# Altium PCB Temp Module B1 Sample.PcbDoc (part 2 of 3)
Units mm, origin at the board's own origin, x right, y up, seen from the top; angles counter-clockwise.
Board outline 139.94 x 72.9 mm, 4 copper layers (Top Layer, Int1 (GND), Int2 (PWR), Bottom Layer), stack 1.369 mm thick; 269 components, 183 nets, 894 pads, 414 vias.
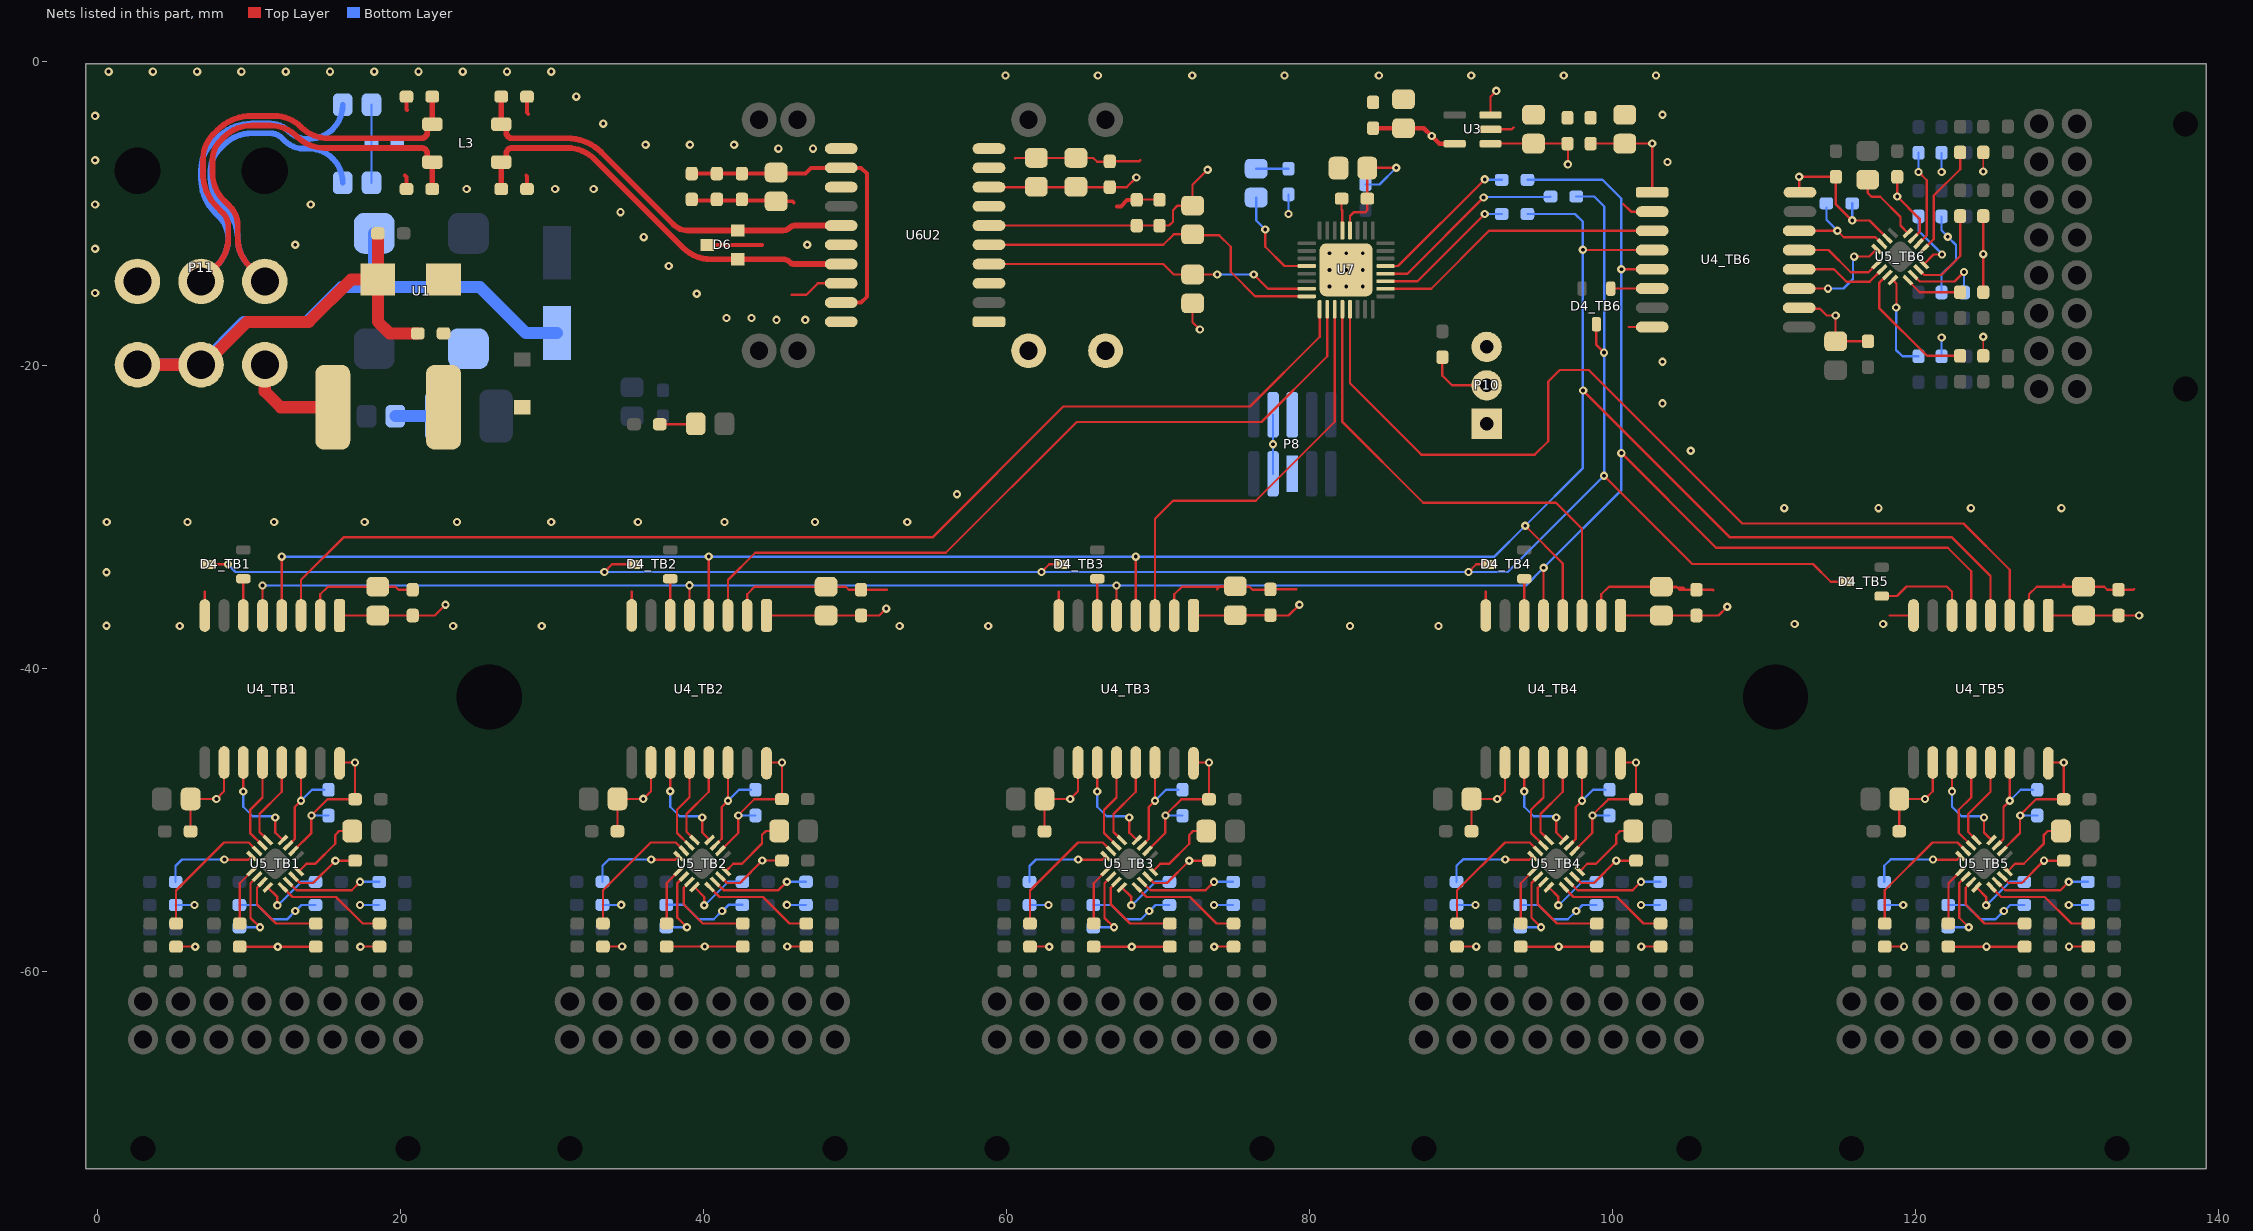
[diagram p4: the nets of this part, all layers, seen from the top]

## Via types
v1: diameter 0.55, hole 0.25, Top Layer to Bottom Layer, 414 vias

## Nets (pads, with @x,y where several pads share a name; then routed paths per layer and width w, separated by ;. In a path a pad name is that pad's centre, name@x,y a point inside that pad or via, vN(x,y) a via of type N, cw(c..) or ccw(c..) an arc to the next point about the centre after c; other vN are vias at no path point) (continued)
0V_(ISO): C3.1 C8.1 C9.1 C10.1 C11.1 C17_TB1.1 C17_TB2.1 C17_TB3.1 C17_TB4.1 C17_TB5.1 C17_TB6.1 C18_TB1.1 C18_TB2.1 C18_TB3.1 C18_TB4.1 C18_TB5.1 C18_TB6.1 C28.1 C32.1 C33.1 C35.2 C41.1 C42.1 P8.5 P8.6 P10.3 U2.16 U3.2 U4_TB1.2 U4_TB1.8 U4_TB2.2 U4_TB2.8 U4_TB3.2 U4_TB3.8 U4_TB4.2 U4_TB4.8 U4_TB5.2 U4_TB5.8 U4_TB6.2 U4_TB6.8 U6.1 U6.3 U6.7 U6.9 U6.10 U7.5 | length 77.6
  Top Layer w0.152: U4_TB1.8@7.112,-36.525 7.112,-34.963 ; U4_TB1.2@14.732,-36.525 14.732,-35.128 15.235,-34.625 C17_TB1.1@18.516,-34.625 19.69,-34.625 19.89,-34.825 C18_TB1.1@20.828,-34.825 ; U4_TB2.8@35.281,-36.519 35.281,-34.957 ; U4_TB2.2@42.901,-36.519 42.901,-35.122 43.404,-34.619 47.858,-34.619 C17_TB2.1@48.058,-34.819 ; C17_TB2.1@48.107,-34.625 49.408,-34.625 49.608,-34.825 C18_TB2.1@50.419,-34.825 52.125,-34.825 ; 60.579,-6.35 60.599,-6.33 C3.1@61.976,-6.33 C35.2@64.592,-6.33 65.74,-6.33 65.994,-6.584 C32.1@66.825,-6.584 ; U4_TB3.8@63.461,-36.525 63.461,-34.963 ; C32.1@66.825,-6.557 68.754,-6.557 68.834,-6.477 ; C28.1@68.604,-9.072 C33.1@70.104,-9.072 ; U4_TB3.2@71.081,-36.525 71.081,-35.128 71.584,-34.625 76.039,-34.625 76.239,-34.825 C18_TB3.1@77.177,-34.825 ; 73.914,-34.798 74.113,-34.599 C17_TB3.1@75.107,-34.599 ; C18_TB3.1@77.419,-34.799 79.12,-34.799 79.121,-34.798 ; C41.1@82.12,-9.017 82.12,-9.73 82.173,-9.783 U7.5@82.173,-11.116 ; U4_TB4.8@91.637,-36.523 91.637,-34.961 ; U3.2@91.948,-4.445 93.345,-4.445 93.472,-4.318 ; U4_TB4.2@99.257,-36.523 99.257,-35.126 99.76,-34.623 104.215,-34.623 104.415,-34.823 C18_TB4.1@105.353,-34.823 ; 100.712,-9.368 101.216,-9.871 U4_TB6.2@102.612,-9.871 ; 101.05,-17.491 U4_TB6.8@102.612,-17.491 ; C17_TB4.1@103.225,-34.625 103.271,-34.671 104.648,-34.671 104.802,-34.825 C18_TB4.1@105.537,-34.825 106.613,-34.825 106.663,-34.875 ; 118.3,-36.523 U4_TB5.8@119.862,-36.523 ; U4_TB5.2@127.482,-36.523 127.482,-35.126 127.985,-34.623 132.44,-34.623 132.64,-34.823 C18_TB5.1@133.578,-34.823 ; 129.75,-34.475 129.9,-34.625 C17_TB5.1@131.08,-34.625 ; C18_TB5.1@133.392,-34.825 134.375,-34.825 134.425,-34.775
  Top Layer w0.254: 67.31,-9.525 67.564,-9.525 67.971,-9.118 68.581,-9.118 C28.1@68.604,-9.095
  other v1: 0.625,-37.2 5.461,-37.211 23.495,-37.211 29.337,-37.211 52.959,-37.211 58.801,-37.211 82.677,-37.211 88.519,-37.211 112.014,-37.084 117.856,-37.084 0.625,-33.675 0.635,-30.353 5.969,-30.353 11.684,-30.353 17.653,-30.353 23.749,-30.353 29.972,-30.353 35.687,-30.353 41.402,-30.353 47.371,-30.353 53.467,-30.353 111.328,-29.439 117.551,-29.439 123.647,-29.439 129.616,-29.439 56.744,-28.524 105.156,-25.654 103.3,-22.525 103.3,-19.775 81.323,-14.816 82.423,-14.816 83.523,-14.816 81.323,-13.716 82.423,-13.716 83.523,-13.716 81.323,-12.616 82.423,-12.616 83.523,-12.616 103.632,-6.604 103.3,-3.475 59.944,-0.889 66.04,-0.889 72.263,-0.889 78.359,-0.889 84.582,-0.889 90.678,-0.889 96.774,-0.889 102.87,-0.889
3V3: C10.2 C11.2 C28.2 C33.2 C41.2 C42.2 P8.7 P8.8 P10.1 R5.2 R26.2 R29.2 R30.2 U3.5 U6.6 U7.4 | length 39.6
  Top Layer w0.152: U6.6@58.852,-10.795 C28.2@68.604,-10.795 C33.2@70.104,-10.795 70.739,-10.795 70.993,-10.541 70.993,-9.779 71.296,-9.476 R29.2@72.289,-9.476 72.289,-8.102 v1(73.279,-7.112) ; R30.2@72.289,-15.924 72.289,-17.171 v1(72.771,-17.653) ; U7.4@82.673,-11.116 82.675,-11.114 82.675,-10.162 82.931,-9.906 83.693,-9.906 83.82,-9.779 C41.2@83.82,-9.017 C42.2@83.82,-7 ; C42.2@83.814,-6.973 83.826,-6.985 v1(85.725,-6.985)
  Top Layer w0.3: C10.2@84.201,-4.367 C11.2@86.207,-4.367 87.552,-4.367 v1(88.066,-4.881) 88.58,-5.395 U3.5@89.586,-5.395
  Bottom Layer w0.152: P8.7@77.597,-27.178 v1(77.597,-25.228) P8.8@77.597,-23.278 ; v1(78.613,-10.033) R26.2@78.613,-8.739 ; R5.2@83.693,-8.079 84.631,-8.079 v1(85.725,-6.985)
3V3_TEMP_TB1: C19_TB1.2 C20_TB1.2 C26_TB1.2 C27_TB1.2 R6_TB1.2 R7_TB1.2 R10_TB1.2 R11_TB1.2 R14_TB1.2 R15_TB1.2 R18_TB1.2 R19_TB1.2 R22_TB1.2 U4_TB1.10 U4_TB1.16 U5_TB1.7 U5_TB1.10 | length 37.9
  Top Layer w0.127: R6_TB1.2@5.213,-58.375 v1(6.477,-58.375) ; v1(17.374,-58.375) R15_TB1.2@18.638,-58.375
  Top Layer w0.152: C20_TB1.2@6.17,-50.764 C19_TB1.2@6.17,-48.631 v1(7.873,-48.631) 8.382,-48.122 U4_TB1.10@8.382,-46.227 ; R14_TB1.2@9.413,-58.375 v1(11.926,-58.375) R7_TB1.2@14.438,-58.375 ; U5_TB1.7@12.965,-53.75 12.968,-53.75 13.393,-54.175 14.25,-54.175 v1(15.725,-52.7) C26_TB1.2@17.025,-52.7 ; U5_TB1.10@12.965,-52.052 14.142,-50.876 14.142,-49.708 15.2,-48.65 C27_TB1.2@17.025,-48.65 v1(17.025,-46.225) 16.055,-46.225 U4_TB1.16@16.002,-46.278
  Bottom Layer w0.127: R10_TB1.2@5.181,-55.625 v1(6.427,-55.625) ; v1(17.349,-55.625) R19_TB1.2@18.613,-55.625
  Bottom Layer w0.152: R18_TB1.2@9.396,-55.624 10.574,-55.624 11.525,-56.575 12.525,-56.575 v1(13.075,-56.025) 13.095,-56.025 13.495,-55.625 R11_TB1.2@14.413,-55.625 ; v1(14.15,-49.725) R22_TB1.2@15.275,-49.725
3V3_TEMP_TB2: C19_TB2.2 C20_TB2.2 C26_TB2.2 C27_TB2.2 R6_TB2.2 R7_TB2.2 R10_TB2.2 R11_TB2.2 R14_TB2.2 R15_TB2.2 R18_TB2.2 R19_TB2.2 R22_TB2.2 U4_TB2.10 U4_TB2.16 U5_TB2.7 U5_TB2.10 | length 37.9
  Top Layer w0.127: R6_TB2.2@33.382,-58.369 v1(34.646,-58.369) ; v1(45.543,-58.369) R15_TB2.2@46.807,-58.369
  Top Layer w0.152: C20_TB2.2@34.339,-50.758 C19_TB2.2@34.339,-48.625 v1(36.041,-48.625) 36.551,-48.116 U4_TB2.10@36.551,-46.221 ; R14_TB2.2@37.582,-58.369 v1(40.094,-58.369) R7_TB2.2@42.607,-58.369 ; U5_TB2.7@41.134,-53.744 41.137,-53.744 41.562,-54.169 42.419,-54.169 v1(43.894,-52.694) C26_TB2.2@45.194,-52.694 ; U5_TB2.10@41.134,-52.046 42.311,-50.87 42.311,-49.702 43.369,-48.644 C27_TB2.2@45.194,-48.644 v1(45.194,-46.219) 44.224,-46.219 U4_TB2.16@44.171,-46.272
  Bottom Layer w0.127: R10_TB2.2@33.35,-55.619 v1(34.596,-55.619) ; v1(45.518,-55.619) R19_TB2.2@46.782,-55.619
  Bottom Layer w0.152: R18_TB2.2@37.564,-55.618 38.743,-55.618 39.694,-56.569 40.694,-56.569 v1(41.244,-56.019) 41.264,-56.019 41.664,-55.619 R11_TB2.2@42.582,-55.619 ; v1(42.319,-49.719) R22_TB2.2@43.444,-49.719
3V3_TEMP_TB3: C19_TB3.2 C20_TB3.2 C26_TB3.2 C27_TB3.2 R6_TB3.2 R7_TB3.2 R10_TB3.2 R11_TB3.2 R14_TB3.2 R15_TB3.2 R18_TB3.2 R19_TB3.2 R22_TB3.2 U4_TB3.10 U4_TB3.16 U5_TB3.7 U5_TB3.10 | length 37.9
  Top Layer w0.127: R6_TB3.2@61.562,-58.375 v1(62.826,-58.375) ; v1(73.723,-58.375) R15_TB3.2@74.987,-58.375
  Top Layer w0.152: C20_TB3.2@62.519,-50.764 C19_TB3.2@62.519,-48.631 v1(64.222,-48.631) 64.731,-48.122 U4_TB3.10@64.731,-46.227 ; R14_TB3.2@65.762,-58.375 v1(68.275,-58.375) R7_TB3.2@70.787,-58.375 ; U5_TB3.7@69.314,-53.75 69.317,-53.75 69.742,-54.175 70.599,-54.175 v1(72.074,-52.7) C26_TB3.2@73.374,-52.7 ; U5_TB3.10@69.314,-52.052 70.491,-50.876 70.491,-49.708 71.549,-48.65 C27_TB3.2@73.374,-48.65 v1(73.374,-46.225) 72.404,-46.225 U4_TB3.16@72.351,-46.278
  Bottom Layer w0.127: R10_TB3.2@61.53,-55.625 v1(62.776,-55.625) ; v1(73.698,-55.625) R19_TB3.2@74.962,-55.625
  Bottom Layer w0.152: R18_TB3.2@65.745,-55.624 66.923,-55.624 67.874,-56.575 68.874,-56.575 v1(69.424,-56.025) 69.444,-56.025 69.844,-55.625 R11_TB3.2@70.762,-55.625 ; v1(70.499,-49.725) R22_TB3.2@71.624,-49.725
3V3_TEMP_TB4: C19_TB4.2 C20_TB4.2 C26_TB4.2 C27_TB4.2 R6_TB4.2 R7_TB4.2 R10_TB4.2 R11_TB4.2 R14_TB4.2 R15_TB4.2 R18_TB4.2 R19_TB4.2 R22_TB4.2 U4_TB4.10 U4_TB4.16 U5_TB4.7 U5_TB4.10 | length 37.9
  Top Layer w0.127: R6_TB4.2@89.738,-58.373 v1(91.002,-58.373) ; v1(101.899,-58.373) R15_TB4.2@103.163,-58.373
  Top Layer w0.152: C20_TB4.2@90.695,-50.762 C19_TB4.2@90.695,-48.629 v1(92.398,-48.629) 92.907,-48.12 U4_TB4.10@92.907,-46.225 ; R14_TB4.2@93.938,-58.373 v1(96.451,-58.373) R7_TB4.2@98.963,-58.373 ; U5_TB4.7@97.49,-53.748 97.493,-53.748 97.918,-54.173 98.775,-54.173 v1(100.25,-52.698) C26_TB4.2@101.55,-52.698 ; U5_TB4.10@97.49,-52.05 98.667,-50.874 98.667,-49.706 99.725,-48.648 C27_TB4.2@101.55,-48.648 v1(101.55,-46.223) 100.58,-46.223 U4_TB4.16@100.527,-46.276
  Bottom Layer w0.127: R10_TB4.2@89.706,-55.623 v1(90.952,-55.623) ; v1(101.874,-55.623) R19_TB4.2@103.138,-55.623
  Bottom Layer w0.152: R18_TB4.2@93.921,-55.622 95.099,-55.622 96.05,-56.573 97.05,-56.573 v1(97.6,-56.023) 97.62,-56.023 98.02,-55.623 R11_TB4.2@98.938,-55.623 ; v1(98.675,-49.723) R22_TB4.2@99.8,-49.723
3V3_TEMP_TB5: C19_TB5.2 C20_TB5.2 C26_TB5.2 C27_TB5.2 R6_TB5.2 R7_TB5.2 R10_TB5.2 R11_TB5.2 R14_TB5.2 R15_TB5.2 R18_TB5.2 R19_TB5.2 R22_TB5.2 U4_TB5.10 U4_TB5.16 U5_TB5.7 U5_TB5.10 | length 37.9
  Top Layer w0.127: R6_TB5.2@117.963,-58.373 v1(119.227,-58.373) ; v1(130.124,-58.373) R15_TB5.2@131.388,-58.373
  Top Layer w0.152: C20_TB5.2@118.92,-50.762 C19_TB5.2@118.92,-48.629 v1(120.623,-48.629) 121.132,-48.12 U4_TB5.10@121.132,-46.225 ; R14_TB5.2@122.163,-58.373 v1(124.676,-58.373) R7_TB5.2@127.188,-58.373 ; U5_TB5.7@125.715,-53.748 125.718,-53.748 126.143,-54.173 127,-54.173 v1(128.475,-52.698) C26_TB5.2@129.775,-52.698 ; U5_TB5.10@125.715,-52.05 126.892,-50.874 126.892,-49.706 127.95,-48.648 C27_TB5.2@129.775,-48.648 v1(129.775,-46.223) 128.805,-46.223 U4_TB5.16@128.752,-46.276
  Bottom Layer w0.127: R10_TB5.2@117.931,-55.623 v1(119.177,-55.623) ; v1(130.099,-55.623) R19_TB5.2@131.363,-55.623
  Bottom Layer w0.152: R18_TB5.2@122.146,-55.622 123.324,-55.622 124.275,-56.573 125.275,-56.573 v1(125.825,-56.023) 125.845,-56.023 126.245,-55.623 R11_TB5.2@127.163,-55.623 ; v1(126.9,-49.723) R22_TB5.2@128.025,-49.723
3V3_TEMP_TB6: C19_TB6.2 C20_TB6.2 C26_TB6.2 C27_TB6.2 R6_TB6.2 R7_TB6.2 R10_TB6.2 R11_TB6.2 R14_TB6.2 R15_TB6.2 R18_TB6.2 R19_TB6.2 R22_TB6.2 U4_TB6.10 U4_TB6.16 U5_TB6.7 U5_TB6.10 | length 37.5
  Top Layer w0.127: R6_TB6.2@124.462,-19.39 v1(124.462,-18.126) ; v1(124.462,-7.229) R15_TB6.2@124.462,-5.965
  Top Layer w0.152: U4_TB6.10@112.314,-16.221 112.371,-16.278 113.681,-16.278 114.134,-16.731 v1@114.713,-16.731 ; U4_TB6.16@112.366,-8.601 112.312,-8.548 v1(112.312,-7.578) C27_TB6.2@114.737,-7.578 114.737,-9.403 115.795,-10.461 116.963,-10.461 U5_TB6.10@118.14,-11.638 ; C19_TB6.2@114.719,-18.433 v1(114.719,-16.731) ; C19_TB6.2@115.149,-18.433 C20_TB6.2@116.851,-18.433 ; C26_TB6.2@118.787,-7.578 v1(118.787,-8.878) 120.262,-10.353 120.262,-11.21 119.837,-11.635 U5_TB6.7@119.837,-11.638 ; R14_TB6.2@124.462,-15.19 v1(124.462,-12.678) R7_TB6.2@124.462,-10.165
  Bottom Layer w0.127: R10_TB6.2@121.712,-19.422 v1(121.712,-18.176) ; v1(121.712,-7.254) R19_TB6.2@121.712,-5.99
  Bottom Layer w0.152: v1(115.812,-10.453) R22_TB6.2@115.812,-9.328 ; R18_TB6.2@121.711,-15.208 121.711,-14.029 122.662,-13.078 122.662,-12.078 v1(122.112,-11.528) 122.112,-11.508 121.712,-11.108 R11_TB6.2@121.712,-10.19
5V: C3.2 C8.2 C9.2 C17_TB1.2 C17_TB2.2 C17_TB3.2 C17_TB4.2 C17_TB5.2 C17_TB6.2 C18_TB1.2 C18_TB2.2 C18_TB3.2 C18_TB4.2 C18_TB5.2 C18_TB6.2 C32.2 C35.1 U2.14 U3.1 U3.3 U4_TB1.1 U4_TB2.1 U4_TB3.1 U4_TB4.1 U4_TB5.1 U4_TB6.1 U6.8 | length 69.8
  Top Layer w0.152: U4_TB1.1@16.002,-36.525 C17_TB1.2@18.516,-36.525 C18_TB1.2@20.828,-36.525 22.276,-36.525 v1(22.987,-35.814) ; U4_TB2.1@44.171,-36.519 48.107,-36.519 C18_TB2.2@50.445,-36.519 ; C17_TB2.2@48.107,-36.525 C18_TB2.2@50.319,-36.525 ; C18_TB2.2@50.419,-36.525 51.613,-36.525 v1(52.07,-36.068) ; U6.8@58.853,-8.256 C32.2@66.824,-8.256 ; C32.2@66.825,-8.257 67.943,-8.257 v1(68.58,-7.62) ; U4_TB3.1@72.351,-36.525 75.107,-36.525 78.625,-36.525 v1(79.336,-35.814) ; C17_TB3.2@75.107,-36.499 C18_TB3.2@77.419,-36.499 ; U3.3@91.948,-3.495 91.948,-2.286 v1(92.329,-1.905) ; U3.1@92.644,-5.383 C8.2@94.785,-5.383 C9.2@97.028,-5.383 ; v1@97.055,-6.756 C9.2@97.055,-5.377 ; C18_TB6.2@98.552,-5.383 C17_TB6.2@100.812,-5.383 v1@102.538,-5.383 ; U4_TB4.1@100.527,-36.523 103.225,-36.523 106.801,-36.523 ; U4_TB6.1@102.612,-8.601 102.616,-8.597 102.616,-5.461 102.612,-5.457 v1@102.612,-5.383 ; C17_TB4.2@103.225,-36.525 C18_TB4.2@105.537,-36.525 106.985,-36.525 v1(107.569,-35.941) ; U4_TB5.1@128.752,-36.523 C17_TB5.2@131.08,-36.523 ; C17_TB5.2@131.08,-36.525 C18_TB5.2@133.392,-36.525 ; 132.435,-36.525 v1(134.747,-36.525) ; C18_TB5.2@133.392,-36.523 C18_TB5.2@133.445,-36.576
  other v1: 97.053,-6.756 102.616,-5.383
"5V (CAN)": C29.2 C30.2 C31.2 C34.1 U6.12 U6.19 | length 21.9
  Top Layer w0.254: C30.2@39.243,-7.366 C29.2@40.894,-7.366 C31.2@42.545,-7.366 46.736,-7.366 47.117,-6.985 U6.12@49.099,-6.985 50.419,-6.985 50.8,-7.366 50.8,-15.494 50.419,-15.875 U6.19@49.099,-15.875
BOOT0: P10.2 R24.1 | length 4.4
  Top Layer w0.152: R24.1@88.773,-19.48 88.773,-20.701 89.408,-21.336 P10.2@91.694,-21.336
CAN_1_N: C40.2 D6.2 L3.3 U6.15 | length 27.1
  Top Layer w0.381: C40.2@26.67,-2.286 26.67,-3.854 ccw(c27.097,-3.854) L3.3@26.794,-4.155 ; L3.3@26.84,-4.201 cw(c26.454,-4.587) 27,-4.587 27,-4.655 ccw(c27.381,-4.655) 27.112,-4.925 ccw(c27.381,-4.655) 27.381,-5.036 31.035,-5.036 cw(c31.035,-8.211) 33.28,-5.966 38.041,-10.727 ccw(c38.978,-9.79) 38.978,-11.115 D6.2@42.275,-11.115 45.254,-11.115 ccw(c45.254,-10.456) 45.72,-10.922 cw(c46.027,-11.229) 46.027,-10.795 U6.15@49.099,-10.795
CAN_1_P: C39.2 D6.1 L3.4 U6.17 | length 27.5
  Top Layer w0.381: C39.2@26.67,-8.172 L3.4@26.67,-6.604 ccw(c26.67,-6.427) 26.795,-6.552 26.84,-6.507 ccw(c26.454,-6.121) 27,-6.121 27,-6.052 cw(c27.381,-6.052) 27.112,-5.783 cw(c27.381,-6.052) 27.381,-5.671 31.035,-5.671 cw(c31.035,-8.211) 32.831,-6.415 38.687,-12.271 ccw(c40.483,-10.475) 40.483,-13.015 D6.1@42.275,-13.015 45.254,-13.015 cw(c45.254,-13.674) 45.72,-13.208 ccw(c46.027,-12.901) 46.027,-13.335 U6.17@49.099,-13.335
CAN_N: C38.2 L3.1 P11.1 R25.1 | length 47.5
  Top Layer w0.381: P11.1@11.067,-14.478 10.028,-13.439 cw(c11.825,-11.643) 9.285,-11.643 9.285,-10.784 ccw(c7.504,-10.784) 8.763,-9.525 8.364,-9.126 cw(c10.16,-7.33) 7.62,-7.33 7.62,-6.433 cw(c9.354,-6.433) 8.128,-5.207 8.4,-4.935 cw(c10.196,-6.731) 10.196,-4.191 11.421,-4.191 cw(c11.421,-6.718) 13.208,-4.931 ccw(c14.995,-3.144) 14.995,-5.671 21.409,-5.671 cw(c21.409,-6.052) 21.678,-5.783 cw(c21.409,-6.052) 21.79,-6.052 21.79,-6.121 ccw(c22.336,-6.121) 21.95,-6.507 21.995,-6.552 ccw(c22.12,-6.427) L3.1@22.12,-6.604 C38.2@22.12,-8.172
  Bottom Layer w0.381: P11.1@11.067,-14.478 10.028,-13.439 cw(c11.825,-11.643) 9.285,-11.643 ccw(c6.634,-11.643) 8.508,-9.769 8.237,-9.498 cw(c10.033,-7.702) 7.493,-7.702 7.493,-7.112 cw(c9.333,-7.112) 8.032,-5.811 8.4,-5.443 cw(c10.196,-7.239) 10.196,-4.699 11.43,-4.699 cw(c11.43,-5.772) 12.189,-5.013 12.383,-5.207 ccw(c13.609,-3.981) 13.609,-5.715 13.97,-5.715 cw(c13.97,-7.952) 16.207,-7.952 R25.1@16.207,-7.975
CAN_P: C37.2 L3.2 P11.3 R23.2 | length 49.2
  Top Layer w0.381: P11.3@6.867,-14.478 7.906,-13.439 ccw(c6.11,-11.643) 8.65,-11.643 8.65,-10.784 ccw(c7.504,-10.784) 8.314,-9.974 7.915,-9.575 cw(c10.16,-7.33) 6.985,-7.33 6.985,-6.433 cw(c9.354,-6.433) 7.679,-4.758 7.951,-4.486 cw(c10.196,-6.731) 10.196,-3.556 11.684,-3.556 cw(c11.684,-6.083) 13.471,-4.296 ccw(c15.258,-2.509) 15.258,-5.036 21.409,-5.036 ccw(c21.409,-4.655) 21.678,-4.925 ccw(c21.409,-4.655) 21.79,-4.655 21.79,-4.587 cw(c22.336,-4.587) 21.95,-4.201 21.995,-4.156 cw(c22.12,-4.281) L3.2@22.12,-4.104 ; L3.2@22.12,-3.854 C37.2@22.12,-2.286
  Bottom Layer w0.381: P11.3@6.867,-14.478 7.906,-13.439 ccw(c6.11,-11.643) 8.65,-11.643 ccw(c6.634,-11.643) 8.059,-10.218 7.788,-9.947 cw(c10.033,-7.702) 6.858,-7.702 6.858,-7.112 cw(c9.333,-7.112) 7.583,-5.362 7.765,-5.18 ; 7.951,-4.994 cw(c10.196,-7.239) 10.196,-4.064 11.43,-4.064 cw(c11.43,-5.772) 12.638,-4.564 12.646,-4.572 ccw(c13.872,-3.346) 13.872,-5.08 13.97,-5.08 ccw(c13.97,-2.843) 16.207,-2.843 R23.2@16.207,-2.82
CANS: C29.1 C30.1 C31.1 C34.2 C36.1 C37.1 C38.1 C39.1 C40.1 D6.3 P11.5 U6.11 U6.13 U6.16 U6.18 U6.20 | length 17.9
  Top Layer w0.152: 45.847,-15.367 46.802,-15.367 47.564,-14.605 U6.18@49.099,-14.605
  Top Layer w0.254: 20.32,-7.493 20.42,-7.593 C38.1@20.42,-8.382 ; C37.1@20.42,-2.286 20.42,-3.148 20.447,-3.175 ; 28.321,-7.493 28.37,-7.542 C39.1@28.37,-8.382 ; C40.1@28.37,-2.286 28.37,-3.351 28.448,-3.429 ; C30.1@39.243,-9.066 39.306,-9.129 44.741,-9.129 C34.2@44.805,-9.193 45.896,-9.193 45.974,-9.271 ; D6.3@40.275,-12.065 43.889,-12.065
  other v1: 44.831,-17.018 46.736,-17.018 41.529,-16.891 43.18,-16.891 39.571,-15.286 -0.127,-15.24 37.719,-13.462 -0.127,-12.319 13.081,-12.065 46.863,-12.065 36.068,-11.557 34.544,-9.906 -0.127,-9.398 14.097,-9.398 24.384,-8.382 30.226,-8.382 32.766,-8.382 -0.127,-6.477 44.958,-5.715 47.244,-5.715 36.195,-5.461 39.116,-5.461 42.037,-5.461 33.401,-4.064 -0.127,-3.556 31.623,-2.286 0.762,-0.635 3.683,-0.635 6.604,-0.635 9.525,-0.635 12.446,-0.635 15.367,-0.635 18.288,-0.635 21.209,-0.635 24.13,-0.635 27.051,-0.635 29.972,-0.635
"Cell 1_TB1": R8_TB1.1 U5_TB1.15 | length 9.1
  Top Layer w0.152: R8_TB1.1@5.213,-56.851 5.213,-54.662 8.371,-51.504 10.012,-51.504 U5_TB1.15@10.561,-52.052
"Cell 1_TB2": R8_TB2.1 U5_TB2.15 | length 9.1
  Top Layer w0.152: R8_TB2.1@33.382,-56.845 33.382,-54.656 36.54,-51.498 38.181,-51.498 U5_TB2.15@38.73,-52.046
"Cell 1_TB3": R8_TB3.1 U5_TB3.15 | length 9.1
  Top Layer w0.152: R8_TB3.1@61.562,-56.851 61.562,-54.662 64.72,-51.504 66.361,-51.504 U5_TB3.15@66.91,-52.052
"Cell 1_TB4": R8_TB4.1 U5_TB4.15 | length 9.1
  Top Layer w0.152: R8_TB4.1@89.738,-56.849 89.738,-54.66 92.896,-51.502 94.537,-51.502 U5_TB4.15@95.086,-52.05
"Cell 1_TB5": R8_TB5.1 U5_TB5.15 | length 9.1
  Top Layer w0.152: R8_TB5.1@117.963,-56.849 117.963,-54.66 121.121,-51.502 122.762,-51.502 U5_TB5.15@123.311,-52.05
"Cell 1_TB6": R8_TB6.1 U5_TB6.15 | length 9.1
  Top Layer w0.152: U5_TB6.15@118.14,-14.042 117.591,-14.591 117.591,-16.232 120.749,-19.39 R8_TB6.1@122.938,-19.39
"Cell 2_TB1": R12_TB1.1 U5_TB1.16 | length 6.4
  Top Layer w0.152: v1(8.4,-52.625) 8.425,-52.65 9.975,-52.65 10.179,-52.446 10.179,-52.435 U5_TB1.16@10.207,-52.406
  Bottom Layer w0.152: R12_TB1.1@5.181,-54.101 5.181,-53.044 5.606,-52.619 7.353,-52.619 7.359,-52.625 v1(8.4,-52.625)
"Cell 2_TB2": R12_TB2.1 U5_TB2.16 | length 6.4
  Top Layer w0.152: v1(36.569,-52.619) 36.594,-52.644 38.144,-52.644 38.347,-52.44 38.347,-52.429 U5_TB2.16@38.376,-52.4
  Bottom Layer w0.152: R12_TB2.1@33.35,-54.095 33.35,-53.038 33.775,-52.613 35.521,-52.613 35.527,-52.619 v1(36.569,-52.619)
"Cell 2_TB3": R12_TB3.1 U5_TB3.16 | length 6.4
  Top Layer w0.152: v1(64.749,-52.625) 64.774,-52.65 66.324,-52.65 66.528,-52.446 66.528,-52.435 U5_TB3.16@66.556,-52.406
  Bottom Layer w0.152: R12_TB3.1@61.53,-54.101 61.53,-53.044 61.955,-52.619 63.702,-52.619 63.708,-52.625 v1(64.749,-52.625)
"Cell 2_TB4": R12_TB4.1 U5_TB4.16 | length 6.4
  Top Layer w0.152: v1(92.925,-52.623) 92.95,-52.648 94.5,-52.648 94.704,-52.444 94.704,-52.433 U5_TB4.16@94.732,-52.404
  Bottom Layer w0.152: R12_TB4.1@89.706,-54.099 89.706,-53.042 90.131,-52.617 91.878,-52.617 91.884,-52.623 v1(92.925,-52.623)
"Cell 2_TB5": R12_TB5.1 U5_TB5.16 | length 6.4
  Top Layer w0.152: v1(121.15,-52.623) 121.175,-52.648 122.725,-52.648 122.929,-52.444 122.929,-52.433 U5_TB5.16@122.957,-52.404
  Bottom Layer w0.152: R12_TB5.1@117.931,-54.099 117.931,-53.042 118.356,-52.617 120.103,-52.617 120.109,-52.623 v1(121.15,-52.623)
"Cell 2_TB6": R12_TB6.1 U5_TB6.16 | length 6.4
  Top Layer w0.152: U5_TB6.16@118.493,-14.396 118.522,-14.425 118.534,-14.425 118.737,-14.628 118.737,-16.178 v1(118.712,-16.203)
  Bottom Layer w0.152: v1(118.712,-16.203) 118.712,-17.245 118.706,-17.251 118.706,-18.997 119.131,-19.422 R12_TB6.1@120.188,-19.422
"Cell 3_TB1": R16_TB1.1 U5_TB1.1 | length 3.8
  Top Layer w0.152: R16_TB1.1@9.413,-56.851 9.413,-54.19 U5_TB1.1@10.207,-53.396
"Cell 3_TB2": R16_TB2.1 U5_TB2.1 | length 3.8
  Top Layer w0.152: R16_TB2.1@37.582,-56.845 37.582,-54.184 U5_TB2.1@38.376,-53.39
"Cell 3_TB3": R16_TB3.1 U5_TB3.1 | length 3.8
  Top Layer w0.152: R16_TB3.1@65.762,-56.851 65.762,-54.19 U5_TB3.1@66.556,-53.396
"Cell 3_TB4": R16_TB4.1 U5_TB4.1 | length 3.8
  Top Layer w0.152: R16_TB4.1@93.938,-56.849 93.938,-54.188 U5_TB4.1@94.732,-53.394
"Cell 3_TB5": R16_TB5.1 U5_TB5.1 | length 3.8
  Top Layer w0.152: R16_TB5.1@122.163,-56.849 122.163,-54.188 U5_TB5.1@122.957,-53.394
"Cell 3_TB6": R16_TB6.1 U5_TB6.1 | length 3.8
  Top Layer w0.152: U5_TB6.1@119.483,-14.396 120.278,-15.19 R16_TB6.1@122.938,-15.19
"Cell 4_TB1": R20_TB1.1 U5_TB1.2 | length 5.1
  Top Layer w0.152: U5_TB1.2@10.561,-53.75 10.125,-54.185 10.125,-56.475 v1(10.75,-57.1)
  Bottom Layer w0.152: R20_TB1.1@9.395,-57.099 v1(10.75,-57.1)
"Cell 4_TB2": R20_TB2.1 U5_TB2.2 | length 5.1
  Top Layer w0.152: U5_TB2.2@38.73,-53.744 38.294,-54.179 38.294,-56.469 v1(38.919,-57.094)
  Bottom Layer w0.152: R20_TB2.1@37.564,-57.093 v1(38.919,-57.094)
"Cell 4_TB3": R20_TB3.1 U5_TB3.2 | length 5.1
  Top Layer w0.152: U5_TB3.2@66.91,-53.75 66.474,-54.185 66.474,-56.475 v1(67.099,-57.1)
  Bottom Layer w0.152: R20_TB3.1@65.745,-57.099 v1(67.099,-57.1)
"Cell 4_TB4": R20_TB4.1 U5_TB4.2 | length 5.1
  Top Layer w0.152: U5_TB4.2@95.086,-53.748 94.65,-54.183 94.65,-56.473 v1(95.275,-57.098)
  Bottom Layer w0.152: R20_TB4.1@93.921,-57.097 v1@95.274,-57.097
"Cell 4_TB5": R20_TB5.1 U5_TB5.2 | length 5.1
  Top Layer w0.152: U5_TB5.2@123.311,-53.748 122.875,-54.183 122.875,-56.473 v1(123.5,-57.098)
  Bottom Layer w0.152: R20_TB5.1@122.145,-57.096 v1@123.499,-57.097
"Cell 4_TB6": R20_TB6.1 U5_TB6.2 | length 5.1
  Top Layer w0.152: U5_TB6.2@119.837,-14.042 120.273,-14.478 122.562,-14.478 v1(123.187,-13.853)
  Bottom Layer w0.152: R20_TB6.1@123.187,-15.208 v1(123.187,-13.853)
"Cell 5_TB1": R9_TB1.1 U5_TB1.3 | length 6.1
  Top Layer w0.152: U5_TB1.3@10.914,-54.103 10.914,-54.123 10.55,-54.487 10.55,-55.6 11.801,-56.851 R9_TB1.1@14.438,-56.851
"Cell 5_TB2": R9_TB2.1 U5_TB2.3 | length 6.1
  Top Layer w0.152: U5_TB2.3@39.083,-54.097 39.083,-54.117 38.719,-54.481 38.719,-55.594 39.97,-56.845 R9_TB2.1@42.607,-56.845
"Cell 5_TB3": R9_TB3.1 U5_TB3.3 | length 6.1
  Top Layer w0.152: U5_TB3.3@67.263,-54.103 67.263,-54.123 66.899,-54.487 66.899,-55.6 68.15,-56.851 R9_TB3.1@70.787,-56.851
"Cell 5_TB4": R9_TB4.1 U5_TB4.3 | length 6.1
  Top Layer w0.152: U5_TB4.3@95.439,-54.101 95.439,-54.121 95.075,-54.485 95.075,-55.598 96.326,-56.849 R9_TB4.1@98.963,-56.849
"Cell 5_TB5": R9_TB5.1 U5_TB5.3 | length 6.1
  Top Layer w0.152: U5_TB5.3@123.664,-54.101 123.664,-54.121 123.3,-54.485 123.3,-55.598 124.551,-56.849 R9_TB5.1@127.188,-56.849
"Cell 5_TB6": R9_TB6.1 U5_TB6.3 | length 6.1
  Top Layer w0.152: U5_TB6.3@120.19,-13.689 120.21,-13.689 120.575,-14.053 121.687,-14.053 122.938,-12.802 R9_TB6.1@122.938,-10.165
"Cell 6_TB1": R13_TB1.1 U5_TB1.4 | length 4.6
  Top Layer w0.152: U5_TB1.4@11.264,-54.464 11.9,-55.1 v1(11.9,-55.65)
  Top Layer w0.254: U5_TB1.4@11.264,-54.464 11.264,-54.461 U5_TB1.4@11.268,-54.457
  Bottom Layer w0.152: v1(11.9,-55.65) 11.925,-55.65 13.474,-54.101 R13_TB1.1@14.413,-54.101
"Cell 6_TB2": R13_TB2.1 U5_TB2.4 | length 4.6
  Top Layer w0.152: U5_TB2.4@39.432,-54.458 40.069,-55.094 v1(40.069,-55.644)
  Top Layer w0.254: U5_TB2.4@39.432,-54.458 39.432,-54.455 U5_TB2.4@39.437,-54.451
  Bottom Layer w0.152: v1(40.069,-55.644) 40.094,-55.644 41.643,-54.095 R13_TB2.1@42.582,-54.095
"Cell 6_TB3": R13_TB3.1 U5_TB3.4 | length 4.6
  Top Layer w0.152: U5_TB3.4@67.613,-54.464 68.249,-55.1 v1(68.249,-55.65)
  Top Layer w0.254: U5_TB3.4@67.613,-54.464 67.613,-54.461 U5_TB3.4@67.617,-54.457
  Bottom Layer w0.152: v1(68.249,-55.65) 68.274,-55.65 69.823,-54.101 R13_TB3.1@70.762,-54.101
"Cell 6_TB4": R13_TB4.1 U5_TB4.4 | length 4.6
  Top Layer w0.152: U5_TB4.4@95.789,-54.462 96.425,-55.098 v1(96.425,-55.648)
  Top Layer w0.254: U5_TB4.4@95.789,-54.462 95.789,-54.459 U5_TB4.4@95.793,-54.455
  Bottom Layer w0.152: v1(96.425,-55.648) 96.45,-55.648 97.999,-54.099 R13_TB4.1@98.938,-54.099
"Cell 6_TB5": R13_TB5.1 U5_TB5.4 | length 4.6
  Top Layer w0.152: U5_TB5.4@124.014,-54.462 124.65,-55.098 v1(124.65,-55.648)
  Top Layer w0.254: U5_TB5.4@124.014,-54.462 124.014,-54.459 U5_TB5.4@124.018,-54.455
  Bottom Layer w0.152: v1(124.65,-55.648) 124.675,-55.648 126.224,-54.099 R13_TB5.1@127.163,-54.099
"Cell 6_TB6": R13_TB6.1 U5_TB6.4 | length 4.6
  Top Layer w0.152: U5_TB6.4@120.551,-13.34 121.187,-12.703 v1(121.737,-12.703)
  Top Layer w0.254: U5_TB6.4@120.544,-13.335 120.548,-13.34 U5_TB6.4@120.551,-13.34
  Bottom Layer w0.152: R13_TB6.1@120.188,-10.19 120.188,-11.129 121.737,-12.678 v1(121.737,-12.703)
"Cell 7_TB1": R17_TB1.1 U5_TB1.5 | length 7.4
  Top Layer w0.152: U5_TB1.5@12.258,-54.457 12.9,-55.099 15.774,-55.099 17.526,-56.851 R17_TB1.1@18.638,-56.851
"Cell 7_TB2": R17_TB2.1 U5_TB2.5 | length 7.4
  Top Layer w0.152: U5_TB2.5@40.427,-54.451 41.069,-55.093 43.943,-55.093 45.695,-56.845 R17_TB2.1@46.807,-56.845
"Cell 7_TB3": R17_TB3.1 U5_TB3.5 | length 7.4
  Top Layer w0.152: U5_TB3.5@68.607,-54.457 69.249,-55.099 72.123,-55.099 73.875,-56.851 R17_TB3.1@74.987,-56.851
"Cell 7_TB4": R17_TB4.1 U5_TB4.5 | length 7.4
  Top Layer w0.152: U5_TB4.5@96.783,-54.455 97.425,-55.097 100.299,-55.097 102.051,-56.849 R17_TB4.1@103.163,-56.849
"Cell 7_TB5": R17_TB5.1 U5_TB5.5 | length 7.4
  Top Layer w0.152: U5_TB5.5@125.008,-54.455 125.65,-55.097 128.524,-55.097 130.276,-56.849 R17_TB5.1@131.388,-56.849
"Cell 7_TB6": R17_TB6.1 U5_TB6.5 | length 7.4
  Top Layer w0.152: U5_TB6.5@120.544,-12.345 121.187,-11.703 121.187,-8.829 122.938,-7.077 R17_TB6.1@122.938,-5.965
"Cell 8_TB1": R21_TB1.1 U5_TB1.6 | length 6.5
  Top Layer w0.152: U5_TB1.6@12.612,-54.103 12.614,-54.103 13.161,-54.65 16.801,-54.65 v1(17.35,-54.101)
  Bottom Layer w0.152: v1(17.35,-54.101) R21_TB1.1@18.613,-54.101
"Cell 8_TB2": R21_TB2.1 U5_TB2.6 | length 6.5
  Top Layer w0.152: U5_TB2.6@40.78,-54.097 40.783,-54.097 41.33,-54.644 44.97,-54.644 v1(45.519,-54.095)
  Bottom Layer w0.152: v1(45.519,-54.095) R21_TB2.1@46.782,-54.095
"Cell 8_TB3": R21_TB3.1 U5_TB3.6 | length 6.5
  Top Layer w0.152: U5_TB3.6@68.961,-54.103 68.963,-54.103 69.51,-54.65 73.15,-54.65 v1(73.699,-54.101)
  Bottom Layer w0.152: v1(73.699,-54.101) R21_TB3.1@74.962,-54.101
"Cell 8_TB4": R21_TB4.1 U5_TB4.6 | length 6.5
  Top Layer w0.152: U5_TB4.6@97.137,-54.101 97.139,-54.101 97.686,-54.648 101.326,-54.648 v1(101.875,-54.099)
  Bottom Layer w0.152: v1(101.875,-54.099) R21_TB4.1@103.138,-54.099
"Cell 8_TB5": R21_TB5.1 U5_TB5.6 | length 6.5
  Top Layer w0.152: U5_TB5.6@125.362,-54.101 125.364,-54.101 125.911,-54.648 129.551,-54.648 v1(130.1,-54.099)
  Bottom Layer w0.152: v1(130.1,-54.099) R21_TB5.1@131.363,-54.099
"Cell 8_TB6": R21_TB6.1 U5_TB6.6 | length 6.5
  Top Layer w0.152: v1(120.188,-7.253) 120.737,-7.802 120.737,-11.442 120.19,-11.989 U5_TB6.6@120.19,-11.992
  Bottom Layer w0.152: v1(120.188,-7.253) R21_TB6.1@120.188,-5.99
CLK_ADC_TB1: U4_TB1.13 U5_TB1.13 | length 6
  Top Layer w0.152: U5_TB1.13@11.268,-51.345 10.725,-50.802 10.725,-49.625 12.192,-48.158 U4_TB1.13@12.192,-46.227
CLK_ADC_TB2: U4_TB2.13 U5_TB2.13 | length 6
  Top Layer w0.152: U5_TB2.13@39.437,-51.339 38.894,-50.796 38.894,-49.619 40.361,-48.152 U4_TB2.13@40.361,-46.221
CLK_ADC_TB3: U4_TB3.13 U5_TB3.13 | length 6
  Top Layer w0.152: U5_TB3.13@67.617,-51.345 67.074,-50.802 67.074,-49.625 68.541,-48.158 U4_TB3.13@68.541,-46.227
CLK_ADC_TB4: U4_TB4.13 U5_TB4.13 | length 6
  Top Layer w0.152: U5_TB4.13@95.793,-51.343 95.25,-50.8 95.25,-49.623 96.717,-48.156 U4_TB4.13@96.717,-46.225
CLK_ADC_TB5: U4_TB5.13 U5_TB5.13 | length 6
  Top Layer w0.152: U5_TB5.13@124.018,-51.343 123.475,-50.8 123.475,-49.623 124.942,-48.156 U4_TB5.13@124.942,-46.225
CLK_ADC_TB6: U4_TB6.13 U5_TB6.13 | length 6
  Top Layer w0.152: U4_TB6.13@112.314,-12.411 114.245,-12.411 115.712,-13.878 116.89,-13.878 U5_TB6.13@117.433,-13.335
CS1: U4_TB1.3 U7.17 | length 78
  Top Layer w0.152: U4_TB1.3@13.462,-36.525 13.462,-34.163 16.256,-31.369 55.118,-31.369 63.754,-22.733 76.073,-22.733 80.673,-18.133 U7.17@80.673,-16.316
CS2: U4_TB2.3 U7.18 | length 51.1
  Top Layer w0.152: U4_TB2.3@41.631,-36.519 41.631,-34.188 43.434,-32.385 56.007,-32.385 64.643,-23.749 76.835,-23.749 81.173,-19.411 U7.18@81.173,-16.316
CS3: U4_TB3.3 U7.19 | length 28.3
  Top Layer w0.152: U4_TB3.3@69.811,-36.525 69.811,-30.138 70.993,-28.956 76.454,-28.956 81.673,-23.737 U7.19@81.673,-16.316
CS4: U4_TB4.3 U7.20 | length 31.9
  Top Layer w0.152: U7.20@82.173,-16.316 82.173,-23.753 87.503,-29.083 96.266,-29.083 97.987,-30.804 U4_TB4.3@97.987,-36.523
CS5: U4_TB5.3 U7.21 | length 63.5
  Top Layer w0.152: U7.21@82.673,-16.316 82.673,-21.205 87.376,-25.908 94.869,-25.908 95.758,-25.019 95.758,-21.082 96.52,-20.32 98.425,-20.32 108.56,-30.455 123.165,-30.455 126.212,-33.502 U4_TB5.3@126.212,-36.523
CS6: U4_TB6.3 U7.26 | length 19.2
  Top Layer w0.152: U7.26@85.023,-14.966 88.031,-14.966 91.856,-11.141 U4_TB6.3@102.612,-11.141
CS_ADC_TB1: R22_TB1.1 U4_TB1.14 U5_TB1.11 | length 7.6
  Top Layer w0.152: U5_TB1.11@12.612,-51.699 13.046,-51.264 13.046,-49.166 v1(13.462,-48.75) U4_TB1.14@13.462,-46.227
  Bottom Layer w0.152: v1(13.462,-48.75) 14.187,-48.025 R22_TB1.1@14.986,-48.025
CS_ADC_TB2: R22_TB2.1 U4_TB2.14 U5_TB2.11 | length 7.6
  Top Layer w0.152: U5_TB2.11@40.78,-51.693 41.215,-51.258 41.215,-49.16 v1(41.631,-48.744) U4_TB2.14@41.631,-46.221
  Bottom Layer w0.152: v1(41.631,-48.744) 42.356,-48.019 R22_TB2.1@43.155,-48.019
CS_ADC_TB3: R22_TB3.1 U4_TB3.14 U5_TB3.11 | length 7.6
  Top Layer w0.152: U5_TB3.11@68.961,-51.699 69.395,-51.264 69.395,-49.166 v1(69.811,-48.75) U4_TB3.14@69.811,-46.227
  Bottom Layer w0.152: v1(69.811,-48.75) 70.536,-48.025 R22_TB3.1@71.335,-48.025
CS_ADC_TB4: R22_TB4.1 U4_TB4.14 U5_TB4.11 | length 7.6
  Top Layer w0.152: U5_TB4.11@97.137,-51.697 97.571,-51.262 97.571,-49.164 v1(97.987,-48.748) U4_TB4.14@97.987,-46.225
  Bottom Layer w0.152: v1(97.987,-48.748) 98.712,-48.023 R22_TB4.1@99.511,-48.023
CS_ADC_TB5: R22_TB5.1 U4_TB5.14 U5_TB5.11 | length 7.6
  Top Layer w0.152: U5_TB5.11@125.362,-51.697 125.796,-51.262 125.796,-49.164 v1(126.212,-48.748) U4_TB5.14@126.212,-46.225
  Bottom Layer w0.152: v1(126.212,-48.748) 126.937,-48.023 R22_TB5.1@127.736,-48.023
CS_ADC_TB6: R22_TB6.1 U4_TB6.14 U5_TB6.11 | length 7.6
  Top Layer w0.152: U4_TB6.14@112.314,-11.141 v1(114.837,-11.141) 115.253,-11.557 117.351,-11.557 U5_TB6.11@117.786,-11.992
  Bottom Layer w0.152: R22_TB6.1@114.112,-9.617 114.112,-10.416 v1(114.837,-11.141)
GLV+: F1.1 P11.2 | length 6.7
  Top Layer w0.8: P11.2@11.067,-19.978 11.067,-21.735 12.116,-22.784 F1.1@15.56,-22.784
GLV-: C4.1 C5.1 C6.1 D3.K P11.4 P11.6 U1.4 | length 61.6
  Top Layer w0.8: P11.6@2.667,-19.978 P11.4@6.867,-19.978 7.073,-19.978 9.906,-17.145 13.97,-17.145 16.764,-14.351 D3.K@18.53,-14.351 ; C5.1@18.53,-11.303 D3.K@18.53,-14.351 ; C4.1@21.16,-17.907 19.304,-17.907 18.53,-17.133 D3.K@18.53,-14.351
  Bottom Layer w0.254: 18.288,-14.859 18.291,-14.856
  Bottom Layer w0.8: P11.6@2.667,-19.978 P11.4@6.867,-19.978 9.7,-17.145 13.843,-17.145 16.129,-14.859 18.288,-14.859 25.273,-14.859 28.304,-17.89 C6.1@30.353,-17.89 ; 18.291,-14.856 U1.4@18.291,-11.303
HB: D7.K U7.12 | length 6.8
  Top Layer w0.152: v1(77.089,-11.049) 77.089,-12.192 78.363,-13.466 U7.12@79.823,-13.466
  Bottom Layer w0.152: D7.K@76.48,-8.939 76.48,-10.44 v1(77.089,-11.049)
MISO_ADC_TB1: U4_TB1.11 U5_TB1.12 | length 7
  Top Layer w0.152: v1(9.652,-48.133) U4_TB1.11@9.652,-46.227 ; v1(11.763,-49.853) 11.763,-50.85 U5_TB1.12@12.258,-51.345
  Bottom Layer w0.152: v1(9.652,-48.133) 9.652,-49.149 10.28,-49.777 11.687,-49.777 v1(11.763,-49.853)
MISO_ADC_TB2: U4_TB2.11 U5_TB2.12 | length 7
  Top Layer w0.152: v1(37.821,-48.127) U4_TB2.11@37.821,-46.221 ; v1(39.932,-49.847) 39.932,-50.844 U5_TB2.12@40.427,-51.339
  Bottom Layer w0.152: v1(37.821,-48.127) 37.821,-49.143 38.449,-49.771 39.856,-49.771 v1(39.932,-49.847)
MISO_ADC_TB3: U4_TB3.11 U5_TB3.12 | length 7
  Top Layer w0.152: v1(66.001,-48.133) U4_TB3.11@66.001,-46.227 ; v1(68.112,-49.853) 68.112,-50.85 U5_TB3.12@68.607,-51.345
  Bottom Layer w0.152: v1(66.001,-48.133) 66.001,-49.149 66.629,-49.777 68.036,-49.777 v1(68.112,-49.853)
MISO_ADC_TB4: U4_TB4.11 U5_TB4.12 | length 7
  Top Layer w0.152: v1(94.177,-48.131) U4_TB4.11@94.177,-46.225 ; v1(96.288,-49.851) 96.288,-50.848 U5_TB4.12@96.783,-51.343
  Bottom Layer w0.152: v1(94.177,-48.131) 94.177,-49.147 94.805,-49.775 96.212,-49.775 v1(96.288,-49.851)
MISO_ADC_TB5: U4_TB5.11 U5_TB5.12 | length 7
  Top Layer w0.152: v1(122.402,-48.131) U4_TB5.11@122.402,-46.225 ; v1(124.513,-49.851) 124.513,-50.848 U5_TB5.12@125.008,-51.343
  Bottom Layer w0.152: v1(122.402,-48.131) 122.402,-49.147 123.03,-49.775 124.437,-49.775 v1(124.513,-49.851)
MISO_ADC_TB6: U4_TB6.11 U5_TB6.12 | length 7
  Top Layer w0.152: U4_TB6.11@112.314,-14.951 v1(114.22,-14.951) ; v1(115.94,-12.84) 116.938,-12.84 U5_TB6.12@117.433,-12.345
  Bottom Layer w0.152: v1(114.22,-14.951) 115.236,-14.951 115.864,-14.323 115.864,-12.916 v1(115.94,-12.84)
MOSI_ADC_TB1: U4_TB1.12 U5_TB1.14 | length 6.1
  Top Layer w0.152: U5_TB1.14@10.914,-51.699 10.914,-51.69 10.1,-50.876 10.1,-49.35 10.922,-48.528 U4_TB1.12@10.922,-46.227
MOSI_ADC_TB2: U4_TB2.12 U5_TB2.14 | length 6.1
  Top Layer w0.152: U5_TB2.14@39.083,-51.693 39.083,-51.684 38.269,-50.87 38.269,-49.344 39.091,-48.522 U4_TB2.12@39.091,-46.221
MOSI_ADC_TB3: U4_TB3.12 U5_TB3.14 | length 6.1
  Top Layer w0.152: U5_TB3.14@67.263,-51.699 67.263,-51.69 66.449,-50.876 66.449,-49.35 67.271,-48.528 U4_TB3.12@67.271,-46.227
MOSI_ADC_TB4: U4_TB4.12 U5_TB4.14 | length 6.1
  Top Layer w0.152: U5_TB4.14@95.439,-51.697 95.439,-51.688 94.625,-50.874 94.625,-49.348 95.447,-48.526 U4_TB4.12@95.447,-46.225
MOSI_ADC_TB5: U4_TB5.12 U5_TB5.14 | length 6.1
  Top Layer w0.152: U5_TB5.14@123.664,-51.697 123.664,-51.688 122.85,-50.874 122.85,-49.348 123.672,-48.526 U4_TB5.12@123.672,-46.225
MOSI_ADC_TB6: U4_TB6.12 U5_TB6.14 | length 6.1
  Top Layer w0.152: U4_TB6.12@112.314,-13.681 114.615,-13.681 115.437,-14.503 116.963,-14.503 117.778,-13.689 U5_TB6.14@117.786,-13.689
NetC1_2: C1.2 L1.2 U1.2 | length 3
  Bottom Layer w0.8: C1.2@19.685,-23.368 L1.2@22.733,-23.368
NetC4_2: C4.2 D1.A D3.A F1.2
NetC25_TB1_2: C25_TB1.2 U5_TB1.8 | length 5
  Top Layer w0.152: U5_TB1.8@13.319,-53.396 13.324,-53.396 13.808,-52.912 14.38,-52.912 15.713,-51.578 15.713,-51.001 15.966,-50.749 C25_TB1.2@16.837,-50.749
NetC25_TB2_2: C25_TB2.2 U5_TB2.8 | length 5
  Top Layer w0.152: U5_TB2.8@41.487,-53.39 41.493,-53.39 41.977,-52.906 42.549,-52.906 43.882,-51.572 43.882,-50.995 44.134,-50.743 C25_TB2.2@45.006,-50.743
NetC25_TB3_2: C25_TB3.2 U5_TB3.8 | length 5
  Top Layer w0.152: U5_TB3.8@69.668,-53.396 69.673,-53.396 70.157,-52.912 70.729,-52.912 72.062,-51.578 72.062,-51.001 72.315,-50.749 C25_TB3.2@73.186,-50.749
NetC25_TB4_2: C25_TB4.2 U5_TB4.8 | length 5
  Top Layer w0.152: U5_TB4.8@97.844,-53.394 97.849,-53.394 98.333,-52.91 98.905,-52.91 100.238,-51.576 100.238,-50.999 100.491,-50.747 C25_TB4.2@101.362,-50.747
NetC25_TB5_2: C25_TB5.2 U5_TB5.8 | length 5
  Top Layer w0.152: U5_TB5.8@126.069,-53.394 126.074,-53.394 126.558,-52.91 127.13,-52.91 128.463,-51.576 128.463,-50.999 128.716,-50.747 C25_TB5.2@129.587,-50.747
NetC25_TB6_2: C25_TB6.2 U5_TB6.8 | length 5
  Top Layer w0.152: C25_TB6.2@116.836,-7.766 116.836,-8.638 117.089,-8.89 117.665,-8.89 118.999,-10.223 118.999,-10.795 119.483,-11.279 U5_TB6.8@119.483,-11.285
NetC36_2: C36.2 R23.1 R25.2 | length 5.2
  Bottom Layer w0.152: R25.2@18.107,-7.975 C36.2@18.107,-5.334 R23.1@18.107,-2.82
NetD2_K: D2.K R1.2 | length 2.3
  Top Layer w0.152: R1.2@37.133,-23.902 D2.K@39.471,-23.902
NetD4_TB1_A: D4_TB1.A U4_TB1.6 | length 2.4
  Top Layer w0.152: U4_TB1.6@9.652,-36.525 D4_TB1.A@9.652,-34.097
NetD4_TB1_K: D4_TB1.K D4_TB2.K D4_TB3.K D4_TB4.K D4_TB5.K D4_TB6.K R3.2 | length 141.2
  Top Layer w0.152: D4_TB1.K@7.302,-33.147 v1(8.636,-33.147) ; v1(33.477,-33.655) 33.985,-33.147 D4_TB2.K@35.471,-33.147 ; v1(62.318,-33.655) 62.826,-33.147 D4_TB3.K@63.651,-33.147 ; v1(90.494,-33.655) 91.002,-33.147 D4_TB4.K@91.827,-33.147 ; D4_TB6.K@98.933,-17.301 98.933,-18.669 v1(99.441,-19.177) ; v1(99.441,-27.305) 105.258,-33.122 113.233,-33.122 114.402,-34.29 D4_TB5.K@115.411,-34.29
  Bottom Layer w0.152: v1(8.636,-33.147) 9.144,-33.655 10.922,-33.655 v1(33.477,-33.655) v1(62.318,-33.655) v1(90.494,-33.655) 93.091,-33.655 v1(99.441,-27.305) ; R3.2@97.609,-8.875 98.791,-8.875 99.451,-9.535 99.451,-17.841 99.446,-17.847 v1@99.446,-27.351
NetD4_TB2_A: D4_TB2.A U4_TB2.6 | length 2.4
  Top Layer w0.152: U4_TB2.6@37.821,-36.519 D4_TB2.A@37.821,-34.091
NetD4_TB3_A: D4_TB3.A U4_TB3.6 | length 2.4
  Top Layer w0.152: U4_TB3.6@66.001,-36.525 D4_TB3.A@66.001,-34.097
NetD4_TB4_A: D4_TB4.A U4_TB4.6 | length 2.4
  Top Layer w0.152: U4_TB4.6@94.177,-36.523 D4_TB4.A@94.177,-34.095
NetD4_TB5_A: D4_TB5.A U4_TB5.6 | length 6.6
  Top Layer w0.152: D4_TB5.A@117.761,-35.24 118.765,-35.24 119.399,-34.606 122.058,-34.606 122.402,-34.95 U4_TB5.6@122.402,-36.523
NetD4_TB6_A: D4_TB6.A U4_TB6.6 | length 2.4
  Top Layer w0.152: 100.184,-14.951 U4_TB6.6@102.612,-14.951
NetD7_A: D7.A R26.1 | length 2.1
  Bottom Layer w0.152: D7.A@76.48,-7.039 R26.1@78.613,-7.039
NetR2_1: R2.1 U7.29 | length 10
  Top Layer w0.152: U7.29@85.023,-13.466 85.848,-13.466 v1(91.567,-7.747)
  Bottom Layer w0.152: v1(91.567,-7.747) 91.581,-7.761 92.67,-7.761 R2.1@92.684,-7.775
NetR2_2: R2.2 U4_TB1.5 U4_TB2.5 U4_TB3.5 U4_TB4.5 U4_TB5.5 U4_TB6.5 | length 158.6
  Top Layer w0.152: U4_TB1.5@10.922,-36.525 v1(10.922,-34.544) ; U4_TB2.5@39.091,-36.519 v1(39.091,-34.538) ; U4_TB3.5@67.271,-36.525 v1(67.271,-34.544) ; U4_TB4.5@95.447,-36.523 v1@95.447,-33.376 ; v1(100.584,-25.806) 106.829,-32.051 122.12,-32.051 123.672,-33.603 U4_TB5.5@123.672,-36.523 ; v1(100.584,-13.681) U4_TB6.5@102.612,-13.681
  Bottom Layer w0.152: v1(10.922,-34.544) 39.091,-34.544 v1(67.271,-34.544) 94.234,-34.544 94.285,-34.544 v1(95.453,-33.376) 100.584,-28.245 v1(100.584,-25.806) v1(100.584,-13.681) 100.584,-9.017 99.342,-7.775 R2.2@94.384,-7.775
NetR3_1: R3.1 U7.28 | length 13
  Top Layer w0.152: U7.28@85.023,-13.966 86.466,-13.966 v1(91.491,-8.941)
  Bottom Layer w0.152: v1(91.491,-8.941) 91.524,-8.908 95.876,-8.908 R3.1@95.909,-8.875
NetR4_1: R4.1 U7.27 | length 9.5
  Top Layer w0.152: U7.27@85.023,-14.466 87.134,-14.466 v1(91.567,-10.033)
  Bottom Layer w0.152: v1(91.567,-10.033) 91.571,-10.029 92.68,-10.029 R4.1@92.684,-10.025
NetR4_2: R4.2 U4_TB1.4 U4_TB2.4 U4_TB3.4 U4_TB4.4 U4_TB5.4 U4_TB6.4 | length 166.1
  Top Layer w0.152: U4_TB1.4@12.192,-36.525 v1(12.192,-32.639) ; U4_TB2.4@40.361,-36.519 v1(40.361,-32.633) ; U4_TB3.4@68.541,-36.525 v1(68.541,-32.639) ; v1(94.234,-30.607) 96.717,-33.09 U4_TB4.4@96.717,-36.523 ; v1@98.044,-12.411 U4_TB6.4@102.612,-12.411 ; v1(98.057,-21.679) 107.747,-31.369 122.403,-31.369 124.942,-33.908 U4_TB5.4@124.942,-36.523
  Bottom Layer w0.152: v1(12.192,-32.639) 40.361,-32.639 92.202,-32.639 v1(94.234,-30.607) 98.044,-26.797 v1(98.044,-12.389) 98.044,-10.541 97.528,-10.025 R4.2@94.384,-10.025
NetR29_1: R29.1 U6.5 U7.16 | length 23.9
  Top Layer w0.152: U6.5@58.852,-12.065 70.358,-12.065 71.047,-11.376 R29.1@72.289,-11.376 72.343,-11.43 74.041,-11.43 74.803,-12.192 74.803,-13.843 76.426,-15.466 U7.16@79.823,-15.466
NetR30_1: R30.1 U6.4 U7.15 | length 21.6
  Top Layer w0.152: U6.4@58.852,-13.335 70.358,-13.335 71.047,-14.024 R30.1@72.289,-14.024 v1(73.914,-14.024) ; v1(76.327,-14.024) 77.269,-14.966 U7.15@79.823,-14.966
  Bottom Layer w0.152: v1(73.914,-14.024) v1(76.327,-14.024)